# Altium PCB BOARD.PcbDoc
Units mm, origin at the board's own origin, x right, y up, seen from the top; angles counter-clockwise.
Board outline 22 x 63 mm, 2 copper layers (Top Layer, Bottom Layer), stack 1.559 mm thick; 107 components, 84 nets, 397 pads, 204 vias.
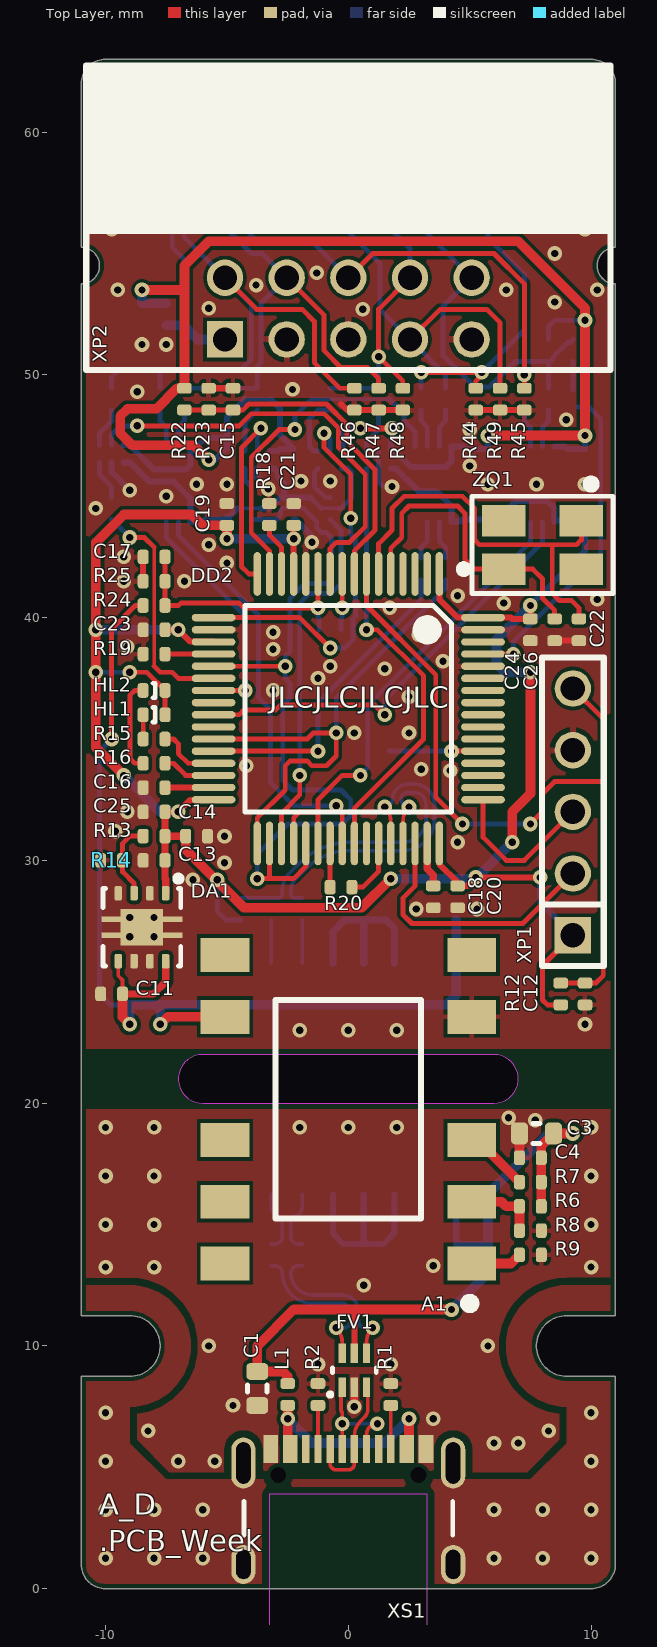
[diagram p0: Top Layer view]
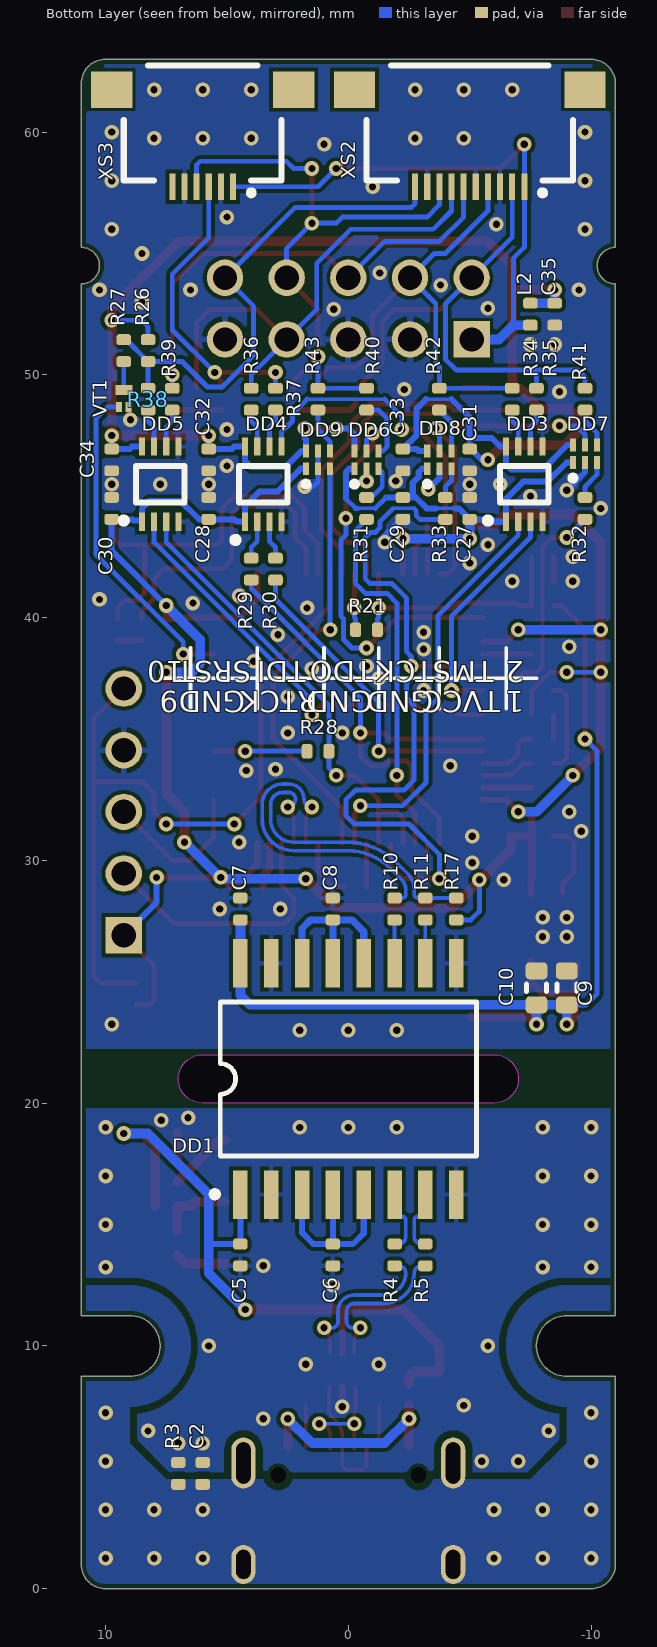
[diagram p1: Bottom Layer view, seen from below]
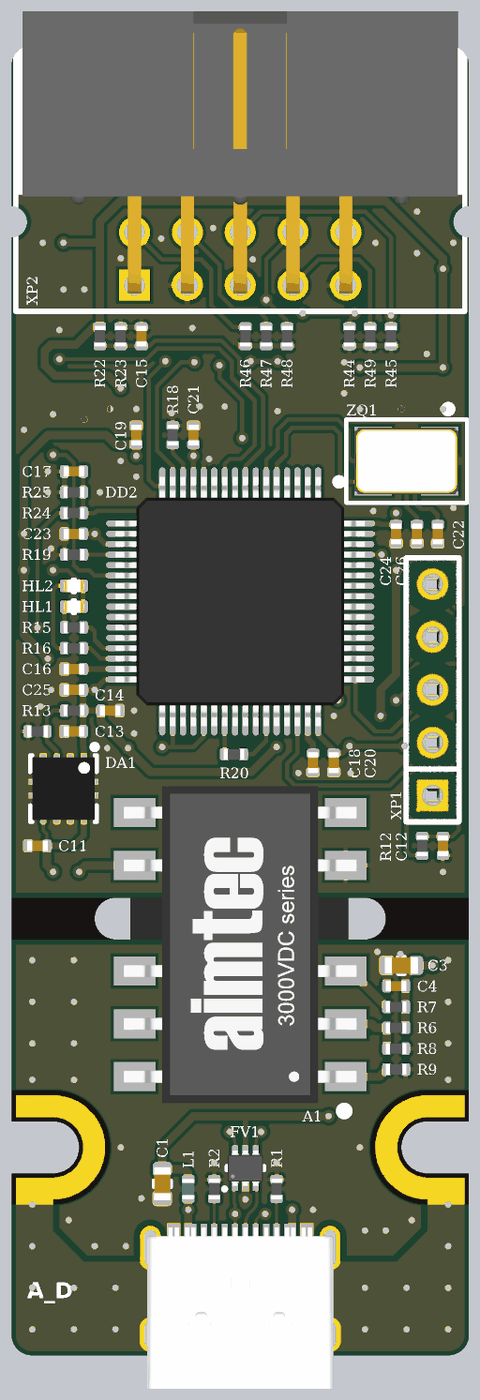
[diagram p2: 3D render of the assembled board from above, using the file's embedded part models]
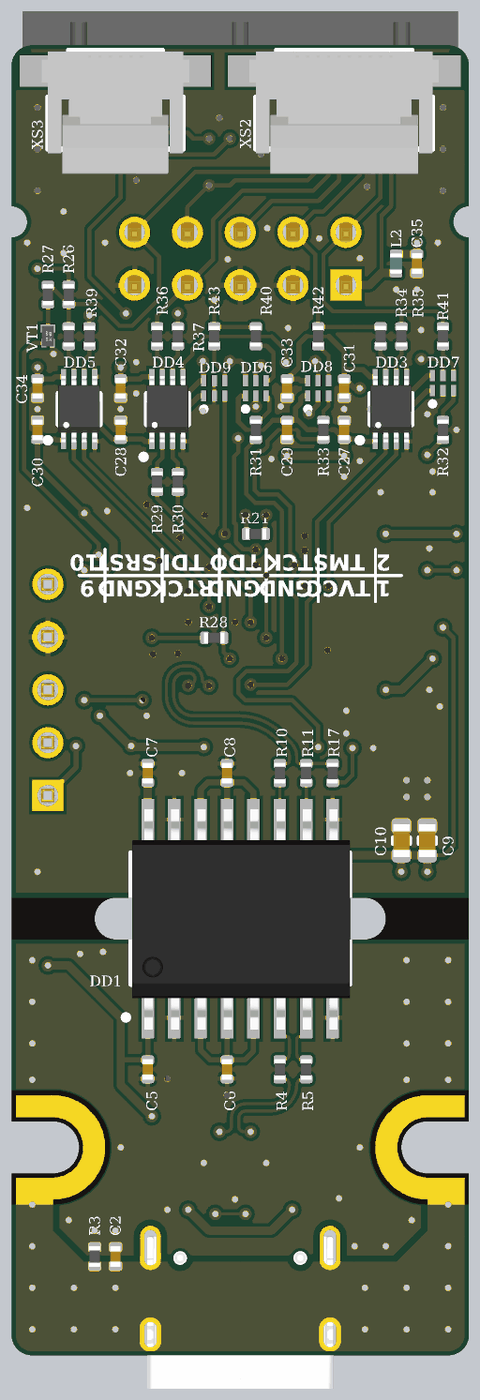
[diagram p3: 3D render of the assembled board from below, using the file's embedded part models]

## Layer stack, top to bottom
Top Solder: solder mask 0.01, Solder Resist, Dk 3.5
Top Layer: signal copper 0.03
Dielectric1: core 1.4986, Core-043, Dk 4.3
Bottom Layer: signal copper 0.03
Bottom Solder: solder mask 0.01, Solder Resist, Dk 3.5

## Board outline
-11,1 -11,8.75 -9,8.75 ccw(c-9,10) -9,11.25 -11,11.25 -11,53.75 ccw(c-11,54.5) -11,55.25 -11,62 cw(c-10,62) -10,63 10,63 cw(c10,62) 11,62 11,55.25 ccw(c11,54.5) 11,53.75 11,11.25 9,11.25 ccw(c9,10) 9,8.75 11,8.75 11,1 cw(c10,1) 10,0 -10,0 cw(c-10,1)
cut-out: -6,20 6,20 ccw(c6,21) 6,22 -6,22 ccw(c-6,21)

## Design rules (kind name [scope] priority, off if disabled: settings)
BoardOutlineClearance [All] p1: gap=0.2 ignorepadtopadclearanceinfootprint=FALSE
Clearance "Schematic Clearance Constraint" [InNet('SHLD')] p1: gap=0.3 ignorepadtopadclearanceinfootprint=FALSE
Clearance [All] p2: gap=0.15 ignorepadtopadclearanceinfootprint=FALSE
ComponentClearance [All] p1 off: gap=0.25 collisioncheckmode=3 verticalgap=0.25 showdistances=FALSE
DiffPairsRouting [All] p1: maxlimit=0.4 minlimit=0.15 mostfreqgap=0.2 toplayer_minwidth=0.15 toplayer_maxwidth=0.15 toplayer_prefwidth=0.15 bottomlayer_minwidth=0.15 bottomlayer_maxwidth=0.15 bottomlayer_prefwidth=0.15 maxuncoupledlength=12
Height [All] p1: minheight=0 maxheight=25 prefheight=25
HoleSize [All] p1: absolutevalues=TRUE maxlimit=6 minlimit=0.3 maxpercent=80.000 minpercent=20.000
HoleToHoleClearance [All] p1: gap=0.25 allowstackedmicrovias=TRUE
MinimumSolderMaskSliver [All] p1 off: minsoldermaskwidth=0.254
PlaneClearance [All] p1: clearance=0.5
PlaneConnect [All] p1: planeconnectstyle=Relief reliefexpansion=0.5 reliefentries=4 reliefconductorwidth=0.25 reliefairgap=0.25
PolygonConnect PolygonConnect_DirectConnect [InComponentClass('DirectConnect')] p1: connectstyle=Direct reliefconductorwidth=0.254 reliefentries=4 polygonreliefangle="90 Angle" airgapwidth=0.254
PolygonConnect [All] p2: thpad.connectstyle=Relief thpad.reliefconductorwidth=0.25 thpad.reliefentries=4 thpad.polygonreliefangle="90 Angle" thpad.airgapwidth=0.2 smdpad.connectstyle=Relief smdpad.reliefconductorwidth=0.2 smdpad.reliefentries=4 smdpad.polygonreliefangle="90 Angle" smdpad.airgapwidth=0.15 via.connectstyle=Direct via.reliefconductorwidth=0.254 via.reliefentries=4 via.polygonreliefangle="90 Angle" via.airgapwidth=0.254
RoutingCorners [All] p1: cornerstyle=45-Degree minsetback=1.5 maxsetback=3.5
RoutingVias [All] p1: holewidth=0.6 width=1.2 viastyle="Through Hole" minholewidth=0.3 minwidth=0.6 maxholewidth=1 maxwidth=2
SMDEntry [All] p1: side=TRUE corner=TRUE anyangle=TRUE
SilkToSilkClearance [All] p1 off: silktosilkclearance=0.254
SilkToSolderMaskClearance [IsPad] p1 off: minsilkscreentomaskgap=0.254 clearancetoexposedcopper=TRUE
SolderMaskExpansion [All] p1: expansion=0.025 istentingtop=FALSE
Width [All] p1: maxlimit=8 minlimit=0.15 preferedwidth=0.6
Width Width_TrackEnds [All] p2 off: maxlimit=0.25 minlimit=0.25 preferedwidth=0.25 checkconnectedcopper=TRUE
19 further rules are at their usual default settings.

## Classes and differential pairs
differential pair class USB: IUSB USB
component class DirectConnect: C1 C2 C3 C9 C10 C11 C13 C14 C16 C18 C19 C20 C21 C22 C23 C24 C25 C26 C27 C28 C29 C30 C31 C32 C33 C34 C35 DA1 FV1 L1 L2 R3 XS1
differential pair class USBD: USBD
differential pair USBDD: +USBDD_P -USBDD_N
differential pair IUSB: +IUSB_P -IUSB_N
differential pair IUSBDD: +IUSBDD_P -IUSBDD_N
differential pair USB: +USB_P -USB_N
differential pair USBD: +USBD_P -USBD_N

## Components (designator, comment, footprint, x,y, rotation, side; value= is the part's Value field where it differs from the comment)
A1 "AM1L-xxxxSH30-Series" AM1L-xxxxSH30-Series 0,19.75 r90 top locked value=AM1L-0505SH30-NZ
C1 "Capacitor" C0603_L -3.75,8.25 r90 top value=10uF
C2 "Capacitor" C0402_L 6,4.75 r270 bottom value=0.1uF
C3 "Capacitor" C0603_L 7.75,18.75 r0 top value=10uF
C4 "Capacitor" C0402_L 7.5,17.75 r180 top value=0.1uF
C5 "Capacitor" C0402_L 4.445,13.75 r270 bottom value=0.1uF
C6 "Capacitor" C0402_L 0.635,13.75 r270 bottom value=0.1uF
C7 "Capacitor" C0402_L 4.445,28 r90 bottom value=0.1uF
C8 "Capacitor" C0402_L 0.635,28 r90 bottom value=0.1uF
C9 "Capacitor" C0603_L -9,24.75 r270 bottom value=10uF
C10 "Capacitor" C0603_L -7.75,24.75 r270 bottom value=10uF
C11 "Capacitor" C0402_L -9.75,24.5 r0 top value=1uF
C12 "Capacitor" C0402_L 9.75,24.5 r270 top value=0.1uF
C13 "Capacitor" C0402_L -8,30 r0 top value=4.7uF
C14 "Capacitor" C0402_L -6.25,31 r180 top value=4.7uF
C15 "Capacitor" C0402_L -4.75,49 r90 top value=0.01uF
C16 "Capacitor" C0402_L -8,33 r0 top value=2.2uF
C17 "Capacitor" C0402_L -8,42.5 r180 top value=0.01uF
C18 "Capacitor" C0402_L 3.5,28.5 r90 top value=2.2uF
C19 "Capacitor" C0402_L -5,44.25 r270 top value=4.7uF
C20 "Capacitor" C0402_L 4.5,28.5 r270 top value=0.1uF
C21 "Capacitor" C0402_L -2.25,44.25 r90 top value=0.1uF
C22 "Capacitor" C0402_L 9.5,39.5 r90 top value=12pF
C23 "Capacitor" C0402_L -8,39.5 r180 top value=0.1uF
C24 "Capacitor" C0402_L 7.5,39.5 r270 top value=0.1uF
C25 "Capacitor" C0402_L -8,32 r180 top value=0.1uF
C26 "Capacitor" C0402_L 8.5,39.5 r90 top value=12pF
C27 "Capacitor" C0402_L -5,44.5 r90 bottom value=0.1uF
C28 "Capacitor" C0402_L 5.75,44.5 r90 bottom value=0.1uF
C29 "Capacitor" C0402_L -2.25,44.5 r270 bottom value=0.1uF
C30 "Capacitor" C0402_L 9.75,44.5 r90 bottom value=0.1uF
C31 "Capacitor" C0402_L -5,46.5 r270 bottom value=0.1uF
C32 "Capacitor" C0402_L 5.75,46.5 r270 bottom value=0.1uF
C33 "Capacitor" C0402_L -2.25,46.5 r270 bottom value=0.1uF
C34 "Capacitor" C0402_L 9.75,46.5 r270 bottom value=0.1uF
C35 "Capacitor" C0402_L -8.5,52.5 r90 bottom value=2.2uF
DA1 "TPS73701DRB" VSON-8_065P300X300X100_N -8.5,27.25 r180 top value=TPS73701DRBR
DD1 "ADuMx160-Series" SOIC-16_127P1030X750X265_N 0,21 r180 bottom locked value=ADUM3160BRWZ
DD2 "STM32F205RxTx-Series" LQFP-64_050P1000X1000X160_N 0,36.25 r270 top value=STM32F205RET6
DD3 "SN74LVC2T45DCx-Series" VSSOP-8_050P200X230X090_N -7.25,45.5 r180 bottom value=SN74LVC2T45DCUR
DD4 "SN74LVC2T45DCx-Series" VSSOP-8_050P200X230X090_N 3.5,45.5 r180 bottom value=SN74LVC2T45DCUR
DD5 "SN74LVC2T45DCx-Series" VSSOP-8_050P200X230X090_N 7.75,45.5 r180 bottom value=SN74LVC2T45DCUR
DD6 "74LVC1T45x-Series" X2-DFN-6_050P140X100X040_N -0.75,46.5 r180 bottom value=74LVC1T45FZ4-7
DD7 "74LVC1T45x-Series" X2-DFN-6_050P140X100X040_N -9.75,46.75 r180 bottom value=74LVC1T45FZ4-7
DD8 "74LVC1T45x-Series" X2-DFN-6_050P140X100X040_N -3.75,46.5 r180 bottom value=74LVC1T45FZ4-7
DD9 "74LVC1T45x-Series" X2-DFN-6_050P140X100X040_N 1.25,46.5 r180 bottom value=74LVC1T45FZ4-7
FV1 "USBLC6-2x6" SOT-666_050P160X120X060_N 0.25,9 r0 top value=USBLC6-2P6
HL1 "ERROR" LD0402_L -8,36 r180 top value=KPHHS-1005SURCK
HL2 "STATUS" LD0402_L -8,37 r180 top value=KPHHS-1005QBC-D-V
L1 "FerriteBead" L0402_L -2.5,8 r90 top value=BLM15PD121SN1D
L2 "FerriteBead" L0402_L -7.5,52.5 r270 bottom value=BLM15PD121SN1D
R1 "Resistor" R0402_L 1.75,8 r270 top value=5.1k
R2 "Resistor" R0402_L -1.25,8 r270 top value=5.1k
R3 "Resistor" R0402_L 7,4.75 r90 bottom value=100k
R4 "Resistor" R0402_L -1.905,13.75 r90 bottom value=20
R5 "Resistor" R0402_L -3.175,13.75 r90 bottom value=20
R6 "Resistor" R0402_L 7.5,15.75 r180 top value=0
R7 "Resistor" R0402_L 7.5,16.75 r180 top value=0
R8 "Resistor" R0402_L 7.5,14.75 r180 top value=0
R9 "Resistor" R0402_L 7.5,13.75 r180 top value=0
R10 "Resistor" R0402_L -1.905,28 r90 bottom value=20
R11 "Resistor" R0402_L -3.175,28 r90 bottom value=20
R12 "Resistor" R0402_L 8.75,24.5 r270 top value=10k
R13 "Resistor" R0402_L -8,31 r0 top value=22.1k
R14 "Resistor" R0402_L -9.75,30 r0 top value=12k
R15 "Resistor" R0402_L -8,35 r0 top value=1k
R16 "Resistor" R0402_L -8,34 r0 top value=1k
R17 "Resistor" R0402_L -4.445,28 r90 bottom value=1.6k
R18 "Resistor" R0402_L -3.25,44.25 r270 top value=0
R19 "Resistor" R0402_L -8,38.5 r0 top value=0
R20 "Resistor" R0402_L -0.3,28.9 r180 top value=0
R21 "Resistor" R0402_L -0.75,39.5 r0 bottom value=0
R22 "Resistor" R0402_L -6.75,49 r90 top value=10k
R23 "Resistor" R0402_L -5.75,49 r270 top value=10k
R24 "Resistor" R0402_L -8,40.5 r180 top value=10k
R25 "Resistor" R0402_L -8,41.5 r0 top value=10k
R26 "Resistor" R0402_L 8.25,51 r270 bottom value=4.7k
R27 "Resistor" R0402_L 9.25,51 r90 bottom value=51
R28 "Resistor" R0402_L 1.25,34.5 r180 bottom value=0
R29 "Resistor" R0402_L 4,42 r90 bottom value=470
R30 "Resistor" R0402_L 3,42 r90 bottom value=470
R31 "Resistor" R0402_L -0.75,44.5 r90 bottom value=470
R32 "Resistor" R0402_L -9.75,44.5 r90 bottom value=470
R33 "Resistor" R0402_L -4,44.5 r90 bottom value=470
R34 "Resistor" R0402_L -6.75,49 r90 bottom value=470
R35 "Resistor" R0402_L -7.75,49 r90 bottom value=470
R36 "Resistor" R0402_L 4,49 r90 bottom value=100
R37 "Resistor" R0402_L 3,49 r90 bottom value=100
R38 "Resistor" R0402_L 8.25,49 r90 bottom value=470
R39 "Resistor" R0402_L 7.25,49 r90 bottom value=470
R40 "Resistor" R0402_L -0.75,49 r90 bottom value=100
R41 "Resistor" R0402_L -9.75,49 r90 bottom value=100
R42 "Resistor" R0402_L -3.75,49 r90 bottom value=100
R43 "Resistor" R0402_L 1.25,49 r90 bottom value=470
R44 "Resistor" R0402_L 5.25,49 r90 top value=200k
R45 "Resistor" R0402_L 7.25,49 r90 top value=200k
R46 "Resistor" R0402_L 0.25,49 r90 top value=200k
R47 "Resistor" R0402_L 1.25,49 r90 top value=200k
R48 "Resistor" R0402_L 2.25,49 r90 top value=200k
R49 "Resistor" R0402_L 6.25,49 r90 top value=200k
VT1 "MOSFET-N_32" SOT-883B_035P060X100X040_N 9.25,49 r180 bottom value=NX3008NBKMB
XP1 "SWD" PLS-5 9.25,32 r90 top locked value=PLS-5
XP2 "JTAG" IDC-10MR 0,57.31 r0 top locked value=IDC-10MR
XS1 "Text" U262-161N-4BVC11 0,-1.6 r0 top locked value=U262-161N-4BVC11
XS2 "JTAG-FFC" XF2M-1015-1A -5,60 r180 bottom locked value=XF2M-1015-1A
XS3 "DEBUG-FFC" XF2M-0615-1A 6,60 r180 bottom locked value=XF2M-0615-1A
ZQ1 "Crystal" "SMD 5x3.2mm" 8,43 r180 top value=AB-12.000MALE-T

## Footprints (in the part's own frame and the unit in brackets; to place one, negate y for a bottom-side part, rotate by r counter-clockwise, add the part's x,y. Pads: shape width x height; smd on the part's side, far side on the other; paste and mask are expansions set on the pad)
AM1L-xxxxSH30-Series [mm] "1 Watt 3kV ISO AIMTEC DC-DC Converter"
  rect 1.4x2 smd: 1(-6.35,-5.08) 2(-3.81,-5.08) 3(-1.27,-5.08) 5(3.81,-5.08) 6(6.35,-5.08) 7(6.35,5.08) 8(3.81,5.08) 9(-1.27,5.08) 10(-3.81,5.08) 12(-6.35,5.08)
  silkscreen extent -8.2,-5.2 4.5,3, body extent -7.62,-5.62 7.62,5.62, height 6.45
C0402_L [mm] "Chip Capacitor; Body 1.0 x 0.5 mm (LxW typ)"
  rrect50% 0.45x0.6 smd: 1(-0.45,0) 2(0.45,0)
  body extent -0.5,-0.25 0.5,0.25, height 0.61
C0603_L [mm] "Chip Capacitor; Body 1.6 x 0.8 mm (LxW typ)"
  rrect50% 0.7x0.9 smd: 1(-0.7,0) 2(0.7,0)
  silkscreen extent -0.15,-0.41 0.15,0.41, body extent -0.8,-0.4 0.8,0.4, height 0.91
IDC-10MR [mm]
  rect 1.5x1.5 hole 1: 1(-5.08,-5.85)
  round 1.5 hole 1: 2(-5.08,-3.31) 3(-2.54,-5.85) 4(-2.54,-3.31) 5(0,-5.85) 6(0,-3.31) 7(2.54,-5.85) 8(2.54,-3.31) 9(5.08,-5.85) 10(5.08,-3.31)
  silkscreen extent -10.79,-7.11 10.79,5.44, body extent -10.47,-6.25 10.47,7.31, height 8.98
L0402_L [mm] "Chip Coil; Body 1.0 x 0.5 mm (LxW typ)"
  rrect50% 0.45x0.6 smd: 1(-0.452,0) 2(0.452,0)
  body extent -0.5,-0.3 0.5,0.3, height 0.5
LD0402_L [mm] "Chip Led; Body 1.0 x 0.5 mm (LxW typ)"
  rrect50% 0.45x0.6 smd mask+0.05: 1(-0.452,0) 2(0.452,0)
  silkscreen extent -0.05,-0.3 0.05,0.3, body extent -0.5,-0.3 0.5,0.3, height 0.2
LQFP-64_050P1000X1000X160_N [mm] "Thin QFP, 64-Leads, Body 10x10mm, Pitch 0.5mm, IPC Medium Density"
  oval 1.8x0.3 smd: 1(-5.55,3.75) 2(-5.55,3.25) 3(-5.55,2.75) 4(-5.55,2.25) 5(-5.55,1.75) 6(-5.55,1.25) 7(-5.55,0.75) 8(-5.55,0.25) 9(-5.55,-0.25) 10(-5.55,-0.75) 11(-5.55,-1.25) 12(-5.55,-1.75) 13(-5.55,-2.25) 14(-5.55,-2.75) 15(-5.55,-3.25) 16(-5.55,-3.75) 33(5.55,-3.75) 34(5.55,-3.25) 35(5.55,-2.75) 36(5.55,-2.25) 37(5.55,-1.75) 38(5.55,-1.25) 39(5.55,-0.75) 40(5.55,-0.25) 41(5.55,0.25) 42(5.55,0.75) 43(5.55,1.25) 44(5.55,1.75) 45(5.55,2.25) 46(5.55,2.75) 47(5.55,3.25) 48(5.55,3.75)
  oval 0.3x1.8 smd: 17(-3.75,-5.55) 18(-3.25,-5.55) 19(-2.75,-5.55) 20(-2.25,-5.55) 21(-1.75,-5.55) 22(-1.25,-5.55) 23(-0.75,-5.55) 24(-0.25,-5.55) 25(0.25,-5.55) 26(0.75,-5.55) 27(1.25,-5.55) 28(1.75,-5.55) 29(2.25,-5.55) 30(2.75,-5.55) 31(3.25,-5.55) 32(3.75,-5.55) 49(3.75,5.55) 50(3.25,5.55) 51(2.75,5.55) 52(2.25,5.55) 53(1.75,5.55) 54(1.25,5.55) 55(0.75,5.55) 56(0.25,5.55) 57(-0.25,5.55) 58(-0.75,5.55) 59(-1.25,5.55) 60(-1.75,5.55) 61(-2.25,5.55) 62(-2.75,5.55) 63(-3.25,5.55) 64(-3.75,5.55)
  silkscreen extent -5.87,-4.25 4.25,4.88, body extent -6,-6 6,6, height 1.6
PLS-5 [mm]
  rect 1.5x1.5 hole 1: 1(-5.08,0)
  round 1.5 hole 1: 2(-2.54,0) 3(0,0) 4(2.54,0) 5(5.08,0)
  silkscreen extent -6.35,-1.27 6.35,1.27, body extent -6.35,-1.27 6.35,1.27, height 8.9
R0402_L [mm] "Chip Resistor; Body 1.0 x 0.5 mm (LxW typ)"
  rrect50% 0.45x0.6 smd: 1(-0.45,0) 2(0.45,0)
  body extent -0.5,-0.26 0.5,0.26, height 0.36
"SMD 5x3.2mm" [mm]
  rect 1.8x1.3 smd: 1(-1.6,-1) 2(1.6,-1) 3(1.6,1) 4(-1.6,1)
  silkscreen extent -2.9,-2.6 2.9,2, body extent -2.5,-1.6 2.5,1.6, height 1.01
SOIC-16_127P1030X750X265_N [mm]
  rect 0.6x2 smd: 1(-4.445,-4.762) 2(-3.175,-4.762) 3(-1.905,-4.763) 4(-0.635,-4.763) 5(0.635,-4.763) 6(1.905,-4.763) 7(3.175,-4.763) 8(4.445,-4.763) 9(4.445,4.762) 10(3.175,4.762) 11(1.905,4.763) 12(0.635,4.763) 13(-0.635,4.763) 14(-1.905,4.763) 15(-3.175,4.763) 16(-4.445,4.763)
  silkscreen extent -5.63,-4.87 5.27,3.18, body extent -5.21,-5.33 5.29,5.27, height 2.57
SOT-666_050P160X120X060_N [mm]
  rect 0.3x0.8 smd: 1(-0.5,-0.7) 2(0,-0.7) 3(0.5,-0.7) 4(0.5,0.7) 5(0,0.7) 6(-0.5,0.7)
  silkscreen extent -1.08,-1.08 0.9,0.1, body extent -0.85,-0.85 0.85,0.85, height 0.62
SOT-883B_035P060X100X040_N [mm]
  rect 0.25x0.4 smd: 1(-0.2,-0.325) 2(0.2,-0.325)
  rect 0.7x0.4 smd: 3(0,0.375)
  body extent -0.29,-0.49 0.29,0.49, height 0.48
U262-161N-4BVC11 [mm]
  round 0 hole 0.65 unplated: 0(-2.89,6.28) 0(2.89,6.28)
  rect 0.3x1.15 smd: A1(-3.35,7.355) A4(-2.55,7.355) A5(-1.25,7.355) A6(-0.25,7.355) A7(0.25,7.355) A8(-1.75,7.355) A9(2.55,7.355) A12(3.35,7.355) B1(3.05,7.355) B4(2.25,7.355) B5(1.75,7.355) B6(0.75,7.355) B7(-0.75,7.355) B8(1.25,7.355) B9(-2.25,7.355) B12(-3.05,7.355)
  oval 1x1.6 hole 0.6 slot 1.2 at 90 deg: SH(-4.32,2.6) SH(4.32,2.6)
  oval 1x2.1 hole 0.6 slot 1.7 at 90 deg: SH(-4.32,6.78) SH(4.32,6.78)
  Top Layer keep-out region: -3.25,0 3.25,0 3.25,5.5 -3.25,5.5
  silkscreen extent -4.3,3.8 4.3,5.2, body extent -4.48,0 4.48,7.75, height 3.26
VSON-8_065P300X300X100_N [mm]
  rrect50% 0.31x0.6 smd paste-0.025: 1(-0.975,-1.4) 2(-0.325,-1.4) 3(0.325,-1.4) 4(0.975,-1.4) 5(0.975,1.4) 6(0.325,1.4) 7(-0.325,1.4) 8(-0.975,1.4)
  rect 0.825x0.23 smd: TP(-1.25,-0.325) TP(-1.25,0.325) TP(1.25,-0.325) TP(1.25,0.325)
  rect 1.75x1.5 smd: TP(0,0)
  silkscreen extent -1.63,-2.12 1.6,1.6, body extent -1.52,-1.52 1.52,1.52, height 1.04
VSSOP-8_050P200X230X090_N [mm] "TSSOP, 8-Leads, Body 2,00x2,30mm, Pitch 0,50mm, IPC Medium Density"
  rect 0.25x0.75 smd: 1(-0.75,-1.55) 2(-0.25,-1.55) 3(0.25,-1.55) 4(0.75,-1.55) 5(0.75,1.55) 6(0.25,1.55) 7(-0.25,1.55) 8(-0.75,1.55)
  silkscreen extent -1.63,-1.62 1,0.75, body extent -1,-1.6 1,1.6, height 0.9
X2-DFN-6_050P140X100X040_N [mm]
  rect 0.25x0.525 smd: 1(-0.5,-0.363) 2(0,-0.363) 3(0.5,-0.363) 4(0.5,0.363) 5(0,0.363) 6(-0.5,0.363)
  silkscreen extent -0.6,-1.1 -0.4,-0.9, body extent -0.7,-0.5 0.7,0.5, height 0.4
XF2M-0615-1A [mm]
  rect 0.25x1.1 smd mask+0.025: 1(1.25,-2.25) 2(0.75,-2.25) 3(0.25,-2.25) 4(-0.25,-2.25) 5(-0.75,-2.25) 6(-1.25,-2.25)
  rect 1.7x1.5 smd mask+0.025: SH(-3.75,1.75) SH(3.75,1.75)
  silkscreen extent -3.25,-2.6 3.25,2.75, body extent -3.55,-3.2 3.55,2.7, height 2
XF2M-1015-1A [mm]
  rect 0.25x1.1 smd mask+0.025: 1(2.25,-2.25) 2(1.75,-2.25) 3(1.25,-2.25) 4(0.75,-2.25) 5(0.25,-2.25) 6(-0.25,-2.25) 7(-0.75,-2.25) 8(-1.25,-2.25) 9(-1.75,-2.25) 10(-2.25,-2.25)
  rect 1.7x1.5 smd mask+0.025: SH(-4.75,1.75) SH(4.75,1.75)
  silkscreen extent -4.25,-2.6 4.25,2.75, body extent -4.55,-3.2 4.55,2.7, height 2

## Part data
A1: library part AM1L-0505SH30-NZ, Manufacturer=Aimtec, Output Current Max=+200mA, Output Current Min=+20mA, Output Voltage=+5V, Working Temperature Max=+85°С, Working Temperature Min=-40°С, Application Category=1, Efficiency=70%, Functional Analog=-, I-O Isolation=3kV, ID=2, Part Number=AM1L-0505SH30-NZ, Published=29.07.2015, Publisher="Andrew Danich", Supply Operation=+4.5…5.5V, Type=Модуль
C1 C3 C9 C10: library part GRM188R61A106KE69D, Dielectric Type=X5R, Manufacturer=Murata, Schematic Value="10uF, 10V, X5R", Tolerance=±10%, Voltage=10V, Working Temperature Max=+85°С, Working Temperature Min=-55°С, Application Category=1, ClassName=DirectConnect, ID=173, Part Number=GRM188R61A106KE69D, Published=18.05.2010, Publisher="Andrew Danich", Type=Конденсатор
C2 C4 C5 C6 C7 C8 C12 C20 C21 C23 C24 C25 C27 C28 C29 C30 C31 C32 C33 C34: library part GCM155R71C104KA55D, Dielectric Type=X7R, Manufacturer=Murata, Schematic Value="0.1uF, 16V, X7R", Tolerance=±10%, Voltage=16V, Working Temperature Max=+125°С, Working Temperature Min=-55°С, Application Category=1, Functional Analog=GRM155R71C104KA88D, ID=163, Part Number=GCM155R71C104KA55D, Published=18.05.2010, Publisher="Andrew Danich", Type=Конденсатор
  C2 C20 C21 C23 C24 C25 C27 C28 C29 C30 C31 C32 C33 C34: ClassName=DirectConnect
C11: library part GRM155R61C105KA12D, Dielectric Type=X5R, Manufacturer=Murata, Schematic Value="1uF, 16V, X5R", Tolerance=±10%, Voltage=16V, Working Temperature Max=+85°С, Working Temperature Min=-55°С, Application Category=1, ClassName=DirectConnect, ID=272, Part Number=GRM155R61C105KA12D, Published=18.05.2010, Publisher="Andrew Danich", Type=Конденсатор
C13 C14 C19: library part GRM155R60J475ME87D, Dielectric Type=X5R, Manufacturer=Murata, Schematic Value="4.7uF, 6.3V, X5R", Tolerance=±20%, Voltage=6.3V, Working Temperature Max=+85°С, Working Temperature Min=-55°С, Application Category=1, ClassName=DirectConnect, ID=223, Part Number=GRM155R60J475ME87D, Published=18.05.2010, Publisher="Andrew Danich", Type=Конденсатор
C15 C17: library part GCM155R71E103KA37D, Dielectric Type=X7R, Manufacturer=Murata, Schematic Value="0.01uF, 25V, X7R", Tolerance=±10%, Voltage=25V, Working Temperature Max=+125°С, Working Temperature Min=-55°С, Application Category=1, Functional Analog=GRM155R71E103KA01D, ID=150, Part Number=GCM155R71E103KA37D, Published=18.05.2010, Publisher="Andrew Danich", Type=Конденсатор
C16 C18 C35: library part GRM155D71C225ME11D, Dielectric Type=X7T, Manufacturer=Murata, Schematic Value="2.2uF, 16V, X7T", Tolerance=±20%, Voltage=16V, Working Temperature Max=+125°С, Working Temperature Min=-55°С, Application Category=1, ClassName=DirectConnect, Functional Analog=GRM155R60J225ME15D, ID=180, Part Number=GRM155D71C225ME11D, Published=18.05.2010, Publisher="Andrew Danich", Type=Конденсатор
C22 C26: library part GRM1555C1H120JA01D, Dielectric Type=NP0, Manufacturer=Murata, Schematic Value="12pF, 50V, NP0", Tolerance=±5%, Voltage=50V, Application Category=1, ClassName=DirectConnect, ID=159, Part Number=GRM1555C1H120JA01D, Published=18.05.2010, Publisher="Andrew Danich", Type=Конденсатор
DA1: library part TPS73701DRBR, Input Voltage=+2.2…5.5V, Manufacturer="Texas Instruments", Output Current=1A, Output Voltage=+1.2…5.5V, Working Temperature Max=+125°С, Working Temperature Min=-40°С, Application Category=1, ClassName=DirectConnect, Functional Analog=TPS73701DRBT, ID=26, Part Number=TPS73701DRBR, Published=25.03.2019, Publisher="Andrew Danich", Type=Микросхема
DD1: library part ADUM3160BRWZ, Manufacturer="Analog Devices", Supply Current=8mA, Application Category=1, Data Rate=12Mbts, Forward Channels=2, Functional Analog=ADUM4160BRWZ, ID=1, Interface="USB 2.0", Opposite Channels=2, Part Number=ADUM3160BRWZ, Peak-to-peak Jitter=3ns, Published=29.07.2015, Publisher="Andrew Danich", Supply Operation=+4.5…5.5V, Type=Микросхема
DD2: library part STM32F205RET6, Manufacturer=STMicroelectronics, Operation Frequency=120MHz, Working Temperature Max=+85°С, Working Temperature Min=-40°С, Application Category=1, EEPROM=-, Flash=512K, I/O Lines=51, ID=33, Part Number=STM32F205RET6, Prog Interface="JTAG, SWD, UART", Published=16.10.2015, Publisher="Andrew Danich", SRAM=128K, Supply Operation=+1.8…3.6V, Type=Микросхема
DD3 DD4 DD5: library part SN74LVC2T45DCUR, Manufacturer="Texas Instruments", Supply Current=10uA, Working Temperature Max=+85°С, Working Temperature Min=-40°С, Application Category=1, Channels=2, Directional=Unidirection, Functional Analog=74LVCH2T45DC,125, ID=18, Max Data Rate=420Mbps, Part Number=SN74LVC2T45DCUR, Published=06.03.2020, Publisher="Andrew Danich", Supply 1 Operation=+1,65…5,5V, Supply 2 Operation=+1,65…5,5V, Type=Микросхема
DD6 DD7 DD8 DD9: library part 74LVC1T45FZ4-7, Manufacturer="Diodes Incorporated", Supply Current=3uA, Working Temperature Max=+150°С, Working Temperature Min=-40°С, Application Category=1, Channels=1, Directional=Bidirection, ID=13, Part Number=74LVC1T45FZ4-7, Prop Delay=15.1nS, Published=17.07.2019, Publisher="Andrew Danich", Supply 1 Operation=+1.65…5.5V, Supply 2 Operation=+1.65…5.5V, Type=Микросхема
FV1: library part USBLC6-2P6, Breakdown Voltage=6V, Forward Voltage=0.95V, Junction Capacitance=2.5pF, Manufacturer=STMicroelectronics, Peak Forward Current=5A, Reverse Stand Off Voltage=17V, Working Temperature Max=+125°С, Working Temperature Min=-40°С, Application Category=1, ClassName=DirectConnect, Directional=Bidirectional, Functional Analog=-, ID=30, Part Number=USBLC6-2P6, Published=21.02.2017, Publisher="Andrew Danich", Type=Супрессор
HL1: library part KPHHS-1005SURCK, Color=Red, Forward Current=20mA, Forward Voltage=2.5V, Manufacturer=Kingbright, Power Dissipation=75mW, Working Temperature Max=+85°С, Working Temperature Min=-40°С, Application Category=1, ID=35, Leds=1, Luminous Flux=140, Part Number=KPHHS-1005SURCK, Published=03.12.2013, Publisher="Andrew Danich", Type="Индикатор единичный"
HL2: library part KPHHS-1005QBC-D-V, Color=Blue, Forward Current=20mA, Forward Voltage=3.3V, Manufacturer=Kingbright, Power Dissipation=120mW, Working Temperature Max=+85°С, Working Temperature Min=-40°С, Application Category=1, ID=24, Leds=1, Luminous Flux=60, Part Number=KPHHS-1005QBC-D-V, Published=03.12.2013, Publisher="Andrew Danich", Type="Индикатор единичный"
L1 L2: library part BLM15PD121SN1D, DC Resistance=0.09ohm, Inductor Type=EMIFIL, Manufacturer=Murata, Rated Current=1.3A, Tolerance=±25%, Working Temperature Max=+125°С, Working Temperature Min=-55°С, Application Category=1, ClassName=DirectConnect, ID=11, Impedance at 100Mhz=120ohm, Part Number=BLM15PD121SN1D, Published=14.11.2014, Publisher="Andrew Danich", Type=Дроссель
R1 R2: library part RC0402FR-075K1L, Limit Voltage=50V, Manufacturer=Yageo, Schematic Value="5.1k ±1%", Temperature Coefficient=100ppm, Tolerance=±1%, Total Power Dissipation=0.1W, Working Temperature Max=+155°С, Working Temperature Min=-55°С, Application Category=1, ID=496, Part Number=RC0402FR-075K1L, Published=24.03.2010, Publisher="Andrew Danich", Series Type=Thick-Film, Type=Резистор
R3: library part RC0402JR-07100KL, Limit Voltage=50V, Manufacturer=Yageo, Schematic Value="100k ±5%", Temperature Coefficient=100ppm, Tolerance=±5%, Total Power Dissipation=0.1W, Working Temperature Max=+155°С, Working Temperature Min=-55°С, Application Category=1, ClassName=DirectConnect, ID=351, Part Number=RC0402JR-07100KL, Published=24.03.2010, Publisher="Andrew Danich", Series Type=Thick-Film, Type=Резистор